# Altium PCB FPGAboard.PcbDoc (part 2 of 2)
Units mm, origin at the board's own origin, x right, y up, seen from the top; angles counter-clockwise.
Board outline 90 x 70 mm, 4 copper layers (Top Layer, Ground, 3V3P, Bottom Layer), stack 1.578 mm thick; 131 components, 163 nets, 672 pads, 230 vias.
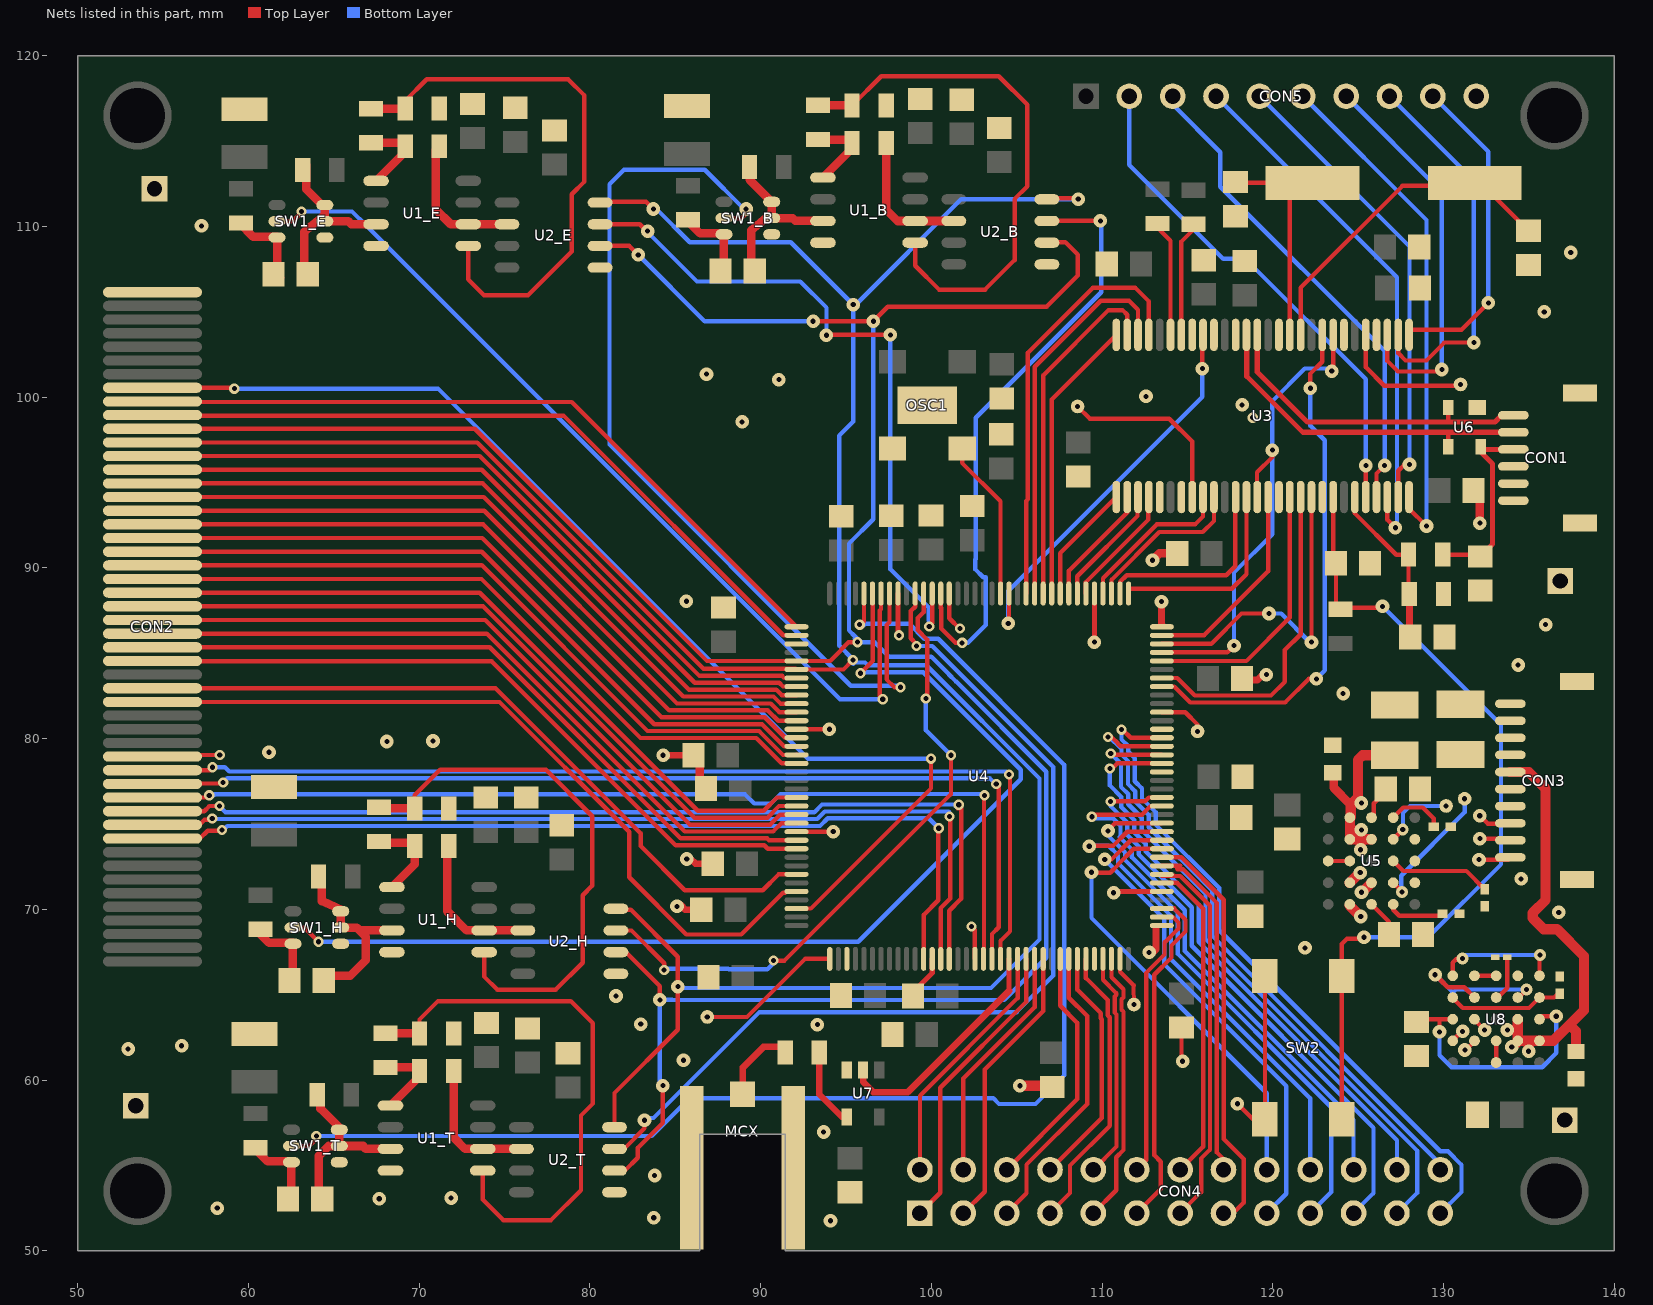
[diagram p4: the nets of this part, all layers, seen from the top]

## Via types
v1: diameter 0.8, hole 0.3, Top Layer to Bottom Layer, 160 vias
v2: diameter 0.6, hole 0.3, Top Layer to Bottom Layer, 61 vias
v3: diameter 0.7, hole 0.3, Top Layer to Bottom Layer, 5 vias
v4: diameter 1.42, hole 1.42, Top Layer to Bottom Layer, 2 vias
v5: diameter 0.9, hole 0.9, Top Layer to Bottom Layer, 2 vias

## Nets (pads, with @x,y where several pads share a name; then routed paths per layer and width w, separated by ;. In a path a pad name is that pad's centre, name@x,y a point inside that pad or via, vN(x,y) a via of type N, cw(c..) or ccw(c..) an arc to the next point about the centre after c; other vN are vias at no path point) (continued)
DAC_D9: CON2.10 U4.48 | length 55.1
  Top Layer w0.254: CON2.10@54.375,74.15 57.15,74.15 57.611,74.611 58.35,74.611 58.393,74.654 v2(58.453,74.654) ; U4.48@99.55,67.1 99.55,69.675 100.406,70.531 100.406,74.73 v2(100.43,74.754)
  Bottom Layer w0.254: v2(58.453,74.654) 58.379,74.654 58.35,74.625 58.425,74.55 58.761,74.886 93.481,74.886 93.927,75.331 99.853,75.331 v2(100.43,74.754)
DAC_D10: CON2.11 U4.50 | length 56
  Top Layer w0.254: CON2.11@54.375,74.95 57.125,74.95 57.425,75.25 v2@57.681,75.25 ; v2@57.878,75.153 v2(57.878,75.329) ; U4.50@100.55,67.1 100.55,70.075 101.111,70.636 101.111,75.386 v2(101.062,75.435)
  Bottom Layer w0.254: v2(57.878,75.329) v2@57.953,75.329 ; v2@58.025,75.401 v2@57.953,75.329 ; v2(101.062,75.435) 101.062,75.688 101.015,75.735 93.759,75.735 93.314,75.29 57.914,75.29 v2@57.953,75.329
DAC_D11: CON2.12 U4.51 | length 57.5
  Top Layer w0.254: CON2.12@54.375,75.75 57.411,75.75 57.711,76.05 v2(58.3,76.05) ; U4.51@101.05,67.1 101.05,69.925 101.743,70.618 101.743,75.93 101.53,75.93 101.654,76.054 101.599,76.109 101.605,76.115 v2(101.605,76.129)
  Bottom Layer w0.254: v2(58.3,76.05) 58.656,75.694 93.147,75.694 93.592,76.139 101.321,76.139 101.43,76.03 101.655,76.03 101.596,76.089 101.605,76.098 v2(101.605,76.129)
DAC_nLDAC: CON2.15 U4.57 | length 61.5
  Top Layer w0.254: CON2.15@54.375,78.15 57.751,78.15 57.9,78.299 v2(57.9,78.325) ; U4.57@104.05,67.1 104.05,68.155 104.606,68.711 104.606,77.844 v2(104.55,77.9)
  Bottom Layer w0.254: v2(57.9,78.325) 58.62,78.325 58.87,78.075 104.375,78.075 v2(104.55,77.9)
DAC_nPD: CON2.14 U4.56 | length 59.9
  Top Layer w0.254: CON2.14@54.375,77.35 54.401,77.376 58.353,77.376 v2@58.375,77.398 ; U4.56@103.55,67.1 103.55,68.558 103.95,68.958 103.95,77.2 v2(103.8,77.35)
  Bottom Layer w0.254: v2@58.499,77.426 v2(58.52,77.426) ; v2@58.639,77.546 58.765,77.671 103.429,77.671 103.75,77.35 v2(103.8,77.35)
DAC_nWE: CON2.13 U4.55 | length 58.9
  Top Layer w0.254: CON2.13@54.375,76.55 57.65,76.55 57.703,76.603 v2(57.703,76.679) ; U4.55@103.05,67.1 103.081,67.131 103.081,76.644 103.105,76.668 v2(103.105,76.679)
  Bottom Layer w0.254: v2(57.703,76.679) 57.966,76.679 58.022,76.735 89.085,76.735 89.622,76.198 90.603,76.198 91.16,76.756 102.969,76.756 103.046,76.679 v2(103.105,76.679)
DONE: Done.1 U4.71 | length 3
  Top Layer w0.254: U4.71@111.05,67.1 111.05,66.35 111.844,65.556 111.844,65.537 Done.1@111.865,64.424
EDFA_RX: CON2.42 U4.1 | length 43.2
  Top Layer w0.254: CON2.42@54.375,99.825 54.481,99.719 78.931,99.719 U4.1@92.1,86.55
EDFA_TX: CON2.41 U4.2 | length 43.1
  Top Layer w0.254: CON2.41@54.375,99.025 54.481,98.919 78.456,98.919 91.325,86.05 U4.2@92.1,86.05
GND: C2_B.2 C2_E.2 C2_H.2 C2_T.2 C3_B.2 C3_E.2 C3_H.2 C3_T.2 C4_B.2 C4_E.2 C4_H.2 C4_T.2 C5_B.2 C5_E.2 C5_H.2 C5_T.2 C6.2 C7.2 C8.2 C9.2 C10.2 C11.2 C12.2 C13.2 C14.2 C15.2 C16.2 C17.2 C18.2 C19.2 C20.2 C21.1 C22.1 C23.2 C24.1 C25.1 C26.2 C27.2 C28.1 C29.1 C30.2 C31.2 C32.2 C33.2 C34.2 C35.2 C36.2 C37.2 C38.2 C39.2 C40.2 C41.2 C42.2 C43.2 C44.1 C45.1 C46.2 C47.2 C48.2 C49.1 CON1.4 CON1.5 CON1.6 CON1.GND CON2.16 CON2.50 CON3.7 CON3.8 CON3.9 CON3.10 CON3.GND CON5.10 MCX.GND OSC1.2 P1.1 P2.1 P3.1 P4.1 R5_B.2 R5_E.2 R5_H.2 R5_T.2 R10.2 R12.2 R13.2 R14.2 R15.2 R16.2 SW1_B.1 SW1_E.1 SW1_H.1 SW1_T.1 SW2.1 U1_B.4 U1_E.4 U1_H.4 U1_T.4 U2_B.5 U2_E.5 U2_H.5 U2_T.5 U3.4 U3.7 U3.13 U3.17 U3.19 U3.21 U3.33 U3.35 U3.44 U3.48 U4.3 U4.13 U4.25 U4.49 U4.54 U4.68 U4.73 U4.77 U4.91 U4.96 U4.108 U4.113 U4.130 U4.136 U5.B5 U5.C1 U5.C2 U5.C5 U5.D5 U6.1 U7.3 U8.B5 U8.C1 U8.C2 U8.C5 U8.D5 | length 64
  Top Layer w0.254: CON2.16@54.375,78.95 54.494,79.069 54.523,79.04 v2(58.316,79.04) ; v1(85.104,70.178) 85.197,70.178 v1@85.297,70.278 ; v1(85.675,72.954) v1@85.896,72.954 ; C17.2@86.075,79.025 C17.2@86.425,78.675 ; C15.2@86.425,77.3 C15.2@86.95,76.775 ; U4.25@92.1,74.55 v1(94.25,74.55) ; U4.13@92.1,80.55 v1(94.025,80.55) ; C8.2@97.4,62.7 C8.2@97.492,62.835 ; v2@98.05,86.1 v2(98.1,86.05) ; C19.2@98.925,64.925 C19.2@98.925,65.148 ; U4.130@101.05,88.5 101.05,87.05 101.675,86.425 v2(101.675,86.45) ; v2(102.35,69) 102.55,68.8 U4.54@102.55,67.1 ; C6.2@107.017,59.667 C6.2@107.075,59.725 ; v1(110.675,70.975) v1@110.675,71.05 ; C7.2@114.649,63.077 114.649,61.172 v1(114.717,61.104) ; v1(117.925,58.617) 118.837,57.704 SW2.1@119.538,57.704 SW2.1@119.538,66.105 ; v1@119.425,83.75 v1(119.625,83.75) ; U5.C1@123.241,72.836 U5.C2@124.511,72.836 ; U8.B5@131.81,66.108 U8.C5@133.08,66.108 ; v1(132.08,72.915) 133.782,72.915 CON3.10@133.912,73.045 ; v1@132.116,92.634 v1(132.125,92.625) ; v1(132.123,75.484) 132.586,75.021 133.889,75.021 CON3.8@133.912,75.045 ; v1(132.125,74.141) 133.816,74.141 CON3.9@133.912,74.045 ; U8.C1@133.08,61.028 U8.C2@133.08,62.298
  Top Layer w0.3: v2@98.05,86.1 U4.136@98.05,88.5 ; C19.2@98.925,65.148 100.05,66.273 U4.49@100.05,67.1 ; v1(109.55,85.65) U4.113@109.55,88.5 ; v1@110.675,71.05 U4.77@113.5,71.05
  Top Layer w0.4: v1(84.289,79.025) C17.2@86.075,79.025 ; v1@85.297,70.278 85.6,69.975 C10.2@86.525,69.975 ; v1@85.896,72.954 86.175,72.675 C14.2@87.2,72.675 ; v1(112.756,67.478) 112.922,67.478 112.95,67.45 113.15,67.65 U4.73@113.15,68.975 ; v1(113.475,88.025) 113.475,86.702 U4.108@113.5,86.677 ; C37.2@118.2,83.425 119.1,83.425 v1@119.425,83.75
  Top Layer w0.5: C15.2@86.425,77.3 C17.2@86.425,78.675 ; v1(112.95,90.45) 113.35,90.85 C31.2@114.4,90.85 ; v1@132.116,92.634 C33.2@132.116,94.8
  Top Layer w0.6: v1(105.183,59.667) C6.2@107.017,59.667
  Bottom Layer w0.254: v1@85.1,70.283 85.104,70.278 v1(85.104,70.178) ; v1(85.675,72.954) 85.554,72.954 85.479,73.029 85.501,73.05 v1@85.708,73.05
  other v1: 94.094,51.76 83.742,51.937 58.175,52.5 67.66,53.049 71.87,53.094 83.789,54.412 93.689,56.96 85.481,61.162 52.95,61.825 56.084,62.013 93.325,63.25 82.975,63.275 81.525,64.925 121.882,67.746 136.75,69.825 134.544,71.788 61.2,79.2 68.107,79.836 70.81,79.86 124.121,82.647 134.366,84.312 135.979,86.675 85.65,88.05 88.917,98.554 118.2,99.55 112.575,100.05 91.069,101.027 86.829,101.348 135.9,105 137.45,108.475 57.249,110.031
  other v2: 118.825,98.8
GPIO1: CON4.2 U4.59 | length 14.7
  Top Layer w0.254: CON4.2@99.33,54.75 99.33,59.08 105.05,64.8 U4.59@105.05,67.1
GPIO2: CON4.1 U4.60 | length 17.5
  Top Layer w0.254: CON4.1@99.33,52.21 100.525,53.405 100.525,59.55 105.55,64.575 U4.60@105.55,67.1
GPIO3: CON4.4 U4.61 | length 14.1
  Top Layer w0.254: CON4.4@101.87,54.75 101.87,60.095 106.05,64.275 U4.61@106.05,67.1
GPIO4: CON4.3 U4.62 | length 16.8
  Top Layer w0.254: CON4.3@101.87,52.21 103.125,53.465 103.125,60.625 106.55,64.05 U4.62@106.55,67.1
GPIO5: CON4.6 U4.64 | length 14.5
  Top Layer w0.254: CON4.6@104.41,54.75 108.55,58.89 108.55,63.35 107.55,64.35 U4.64@107.55,67.1
GPIO6: CON4.5 U4.65 | length 17.3
  Top Layer w0.254: CON4.5@104.41,52.21 105.575,53.375 105.575,55.05 109.125,58.6 109.125,63.75 108.05,64.825 U4.65@108.05,67.1
GPIO7: CON4.8 U4.66 | length 14.2
  Top Layer w0.254: CON4.8@106.95,54.75 109.975,57.775 109.975,63.572 109.926,63.621 109.926,63.924 108.55,65.3 U4.66@108.55,67.1
GPIO8: CON4.7 U4.67 | length 16.9
  Top Layer w0.254: CON4.7@106.95,52.21 108.125,53.385 108.125,55 110.444,57.318 110.444,63.675 110.33,63.788 110.33,64.695 109.05,65.975 U4.67@109.05,67.1
GPIO9: CON4.10 U4.69 | length 13.3
  Top Layer w0.254: CON4.10@109.49,54.75 110.847,56.108 110.847,63.842 110.734,63.956 110.734,64.893 110.847,65.006 110.847,65.078 110.05,65.875 U4.69@110.05,67.1
GPIO10: CON4.9 U4.70 | length 16
  Top Layer w0.254: CON4.9@109.49,52.21 110.825,53.545 110.825,55.475 111.251,55.901 111.251,64.01 111.138,64.123 111.138,64.725 111.251,64.839 111.251,65.323 110.55,66.025 U4.70@110.55,67.1
GPIO11: CON4.12 U4.74 | length 16.3
  Top Layer w0.254: CON4.12@112.03,54.75 112.592,55.312 112.592,64.725 112.578,64.739 112.578,66.273 113.659,67.354 113.659,68.068 ; 113.666,68.062 114.477,68.873 114.477,69.227 114.157,69.547 U4.74@113.824,69.547
GPIO12: CON4.11 U4.75 | length 20.3
  Top Layer w0.254: CON4.11@112.03,52.21 113.439,53.619 113.439,55.218 113.052,55.606 113.052,66.175 114.063,67.186 114.063,67.888 114.881,68.706 114.881,69.394 114.218,70.057 ; U4.75@113.5,70.05 114.211,70.05
GPIO13: CON4.14 U4.78 | length 18.9
  Top Layer w0.254: U4.78@113.5,71.55 114.406,71.55 115.917,70.039 115.917,56.097 CON4.14@114.57,54.75
GPIO14: CON4.13 U4.79 | length 22.3
  Top Layer w0.254: U4.79@113.5,72.05 113.5,71.977 114.227,71.977 114.25,71.954 114.573,71.954 116.321,70.206 116.321,55.93 115.8,55.409 115.8,53.44 CON4.13@114.57,52.21
GPIO15: CON4.16 U4.80 | length 20.3
  Top Layer w0.254: U4.80@113.5,72.55 114.574,72.55 114.399,72.376 114.417,72.358 114.74,72.358 116.725,70.373 116.725,55.762 117.11,55.377 CON4.16@117.11,54.75
GPIO16: CON4.15 U4.81 | length 24.3
  Top Layer w0.254: U4.81@113.5,73.05 114.645,73.05 117.129,70.566 117.129,56.545 118.3,55.374 118.3,52.825 117.685,52.21 CON4.15@117.11,52.21
GPIO17: CON4.18 U4.82 | length 26.5
  Top Layer w0.254: v1(109.375,72.175) 109.402,72.148 110.479,72.148 110.936,72.605 110.936,72.632 111.855,73.55 U4.82@113.5,73.55 U4.82@113.459,73.509
  Bottom Layer w0.254: v1(109.375,72.175) 109.375,69.5 119.65,59.225 CON4.18@119.65,54.75
GPIO18: CON4.17 U4.83 | length 29.4
  Top Layer w0.254: v1@110.13,72.95 110.151,72.929 v1(110.155,72.929) 110.554,72.929 111.675,74.05 U4.83@113.5,74.05
  Bottom Layer w0.254: v1(110.155,72.929) 113.633,69.451 113.633,66.795 120.781,59.646 120.781,53.341 CON4.17@119.65,52.21
GPIO19: CON4.20 U4.84 | length 29.6
  Top Layer w0.254: v1(109.25,73.7) 109.269,73.719 110.644,73.719 111.475,74.55 U4.84@113.5,74.55
  Bottom Layer w0.254: v1(109.25,73.7) v1@109.26,73.71 ; v1@109.26,73.725 110.387,73.725 110.935,73.177 110.935,72.72 114.037,69.619 114.037,67.083 122.19,58.929 CON4.20@122.19,54.75
GPIO20: CON4.19 U4.85 | length 31.7
  Top Layer w0.254: v1(110.35,74.6) 110.35,74.65 110.75,75.05 U4.85@113.5,75.05
  Bottom Layer w0.254: v1(110.35,74.6) 110.35,74.333 111.339,73.344 111.339,72.887 114.441,69.786 114.441,67.39 123.425,58.406 123.425,53.445 CON4.19@122.19,52.21
GPIO21: CON4.22 U4.87 | length 32.3
  Top Layer w0.254: v2@109.325,75.425 v2(109.4,75.425) ; v2@109.4,75.544 112.337,75.544 112.843,76.05 U4.87@113.5,76.05
  Bottom Layer w0.254: v2(109.4,75.425) 109.302,75.327 110.651,75.327 111.077,74.901 111.077,74.299 111.016,74.238 111.743,73.511 111.743,73.055 114.844,69.953 114.844,67.558 124.73,57.672 CON4.22@124.73,54.75
GPIO22: CON4.21 U4.88 | length 34.1
  Top Layer w0.254: v2(110.5,76.325) 112.504,76.325 112.729,76.55 U4.88@113.5,76.55
  Bottom Layer w0.254: v2(110.5,76.325) 110.5,76.049 111.481,75.068 111.481,74.345 112.147,73.679 112.147,73.222 115.248,70.121 115.248,67.864 125.9,57.213 125.9,53.38 CON4.21@124.73,52.21
GPIO23: CON4.24 U4.92 | length 33.8
  Top Layer w0.254: v2(110.455,78.254) 110.593,78.254 110.89,78.55 U4.92@113.5,78.55
  Bottom Layer w0.254: v2@110.33,78.379 v2(110.455,78.254) 110.455,77.256 111.127,76.585 111.127,75.994 111.885,75.236 111.885,74.512 112.551,73.846 112.551,73.389 115.652,70.288 115.652,68.097 127.27,56.48 CON4.24@127.27,54.75
GPIO24: CON4.23 U4.93 | length 37.9
  Top Layer w0.254: v2(110.505,79.129) 110.584,79.05 U4.93@113.5,79.05
  Bottom Layer w0.254: v2(110.505,79.129) 111.109,78.525 111.109,77.174 111.531,76.752 111.531,76.161 112.326,75.366 112.326,74.643 116.056,70.912 116.056,68.265 128.45,55.871 128.45,53.39 CON4.23@127.27,52.21
GPIO25: CON4.26 U4.94 | length 36.8
  Top Layer w0.254: v2(110.35,80.1) 110.548,80.1 110.911,79.736 110.907,79.732 111.089,79.55 U4.94@113.5,79.55
  Bottom Layer w0.254: v2(110.35,80.1) 110.421,80.1 111.132,79.389 111.132,79.073 111.513,78.693 111.513,77.341 111.935,76.919 111.935,76.328 112.73,75.533 112.73,74.81 116.46,71.08 116.46,68.432 129.81,55.082 CON4.26@129.81,54.75
GPIO26: CON4.25 U4.95 | length 39.9
  Top Layer w0.254: v2(111.137,80.525) 111.2,80.525 111.675,80.05 U4.95@113.5,80.05
  Bottom Layer w0.254: v2(111.137,80.525) 111.137,79.955 111.536,79.556 111.536,79.241 111.917,78.86 111.917,77.509 112.339,77.087 112.339,76.496 113.134,75.701 113.134,74.977 116.864,71.247 116.864,68.772 129.809,55.827 130.256,55.827 131.05,55.033 131.05,53.45 CON4.25@129.81,52.21
HEATER_1: CON2.20 U4.32 | length 46
  Top Layer w0.254: CON2.20@54.375,82.15 74.7,82.15 82.3,74.55 82.3,71.878 85.647,68.531 88.869,68.531 91.315,70.977 91.431,70.977 91.504,71.05 U4.32@92.1,71.05
HEATER_2: CON2.21 U4.30 | length 43.4
  Top Layer w0.254: CON2.21@54.375,82.95 74.475,82.95 82.975,74.45 82.975,73.707 85.557,71.125 90.121,71.125 91.046,72.05 U4.30@92.1,72.05
NetC1_B_1: C1_B.1 R2_B.2 SW1_B.6 | length 5
  Top Layer w0.254: C1_B.1@87.85,107.49 C1_B.1@88.15,107.19
  Top Layer w0.5: R2_B.2@85.65,110.39 86.45,109.59 SW1_B.6@87.85,109.59 ; C1_B.1@87.85,107.49 SW1_B.6@87.85,109.54
NetC1_B_2: C1_B.2 R1_B.1 SW1_B.2 SW1_B.3 U1_B.3 | length 10.9
  Top Layer w0.254: 89.35,112.74 R1_B.1@89.35,113.49 ; C1_B.2@89.45,107.89 C1_B.2@90.15,107.19 ; SW1_B.2@90.65,110.49 SW1_B.2@91.075,110.49
  Top Layer w0.5: 89.35,112.74 SW1_B.3@90.65,111.44 SW1_B.2@90.65,110.49 90.359,110.518 89.45,109.771 C1_B.2@89.45,107.89 ; SW1_B.2@91.075,110.49 91.875,110.49 92.04,110.325 U1_B.3@93.65,110.325
NetC1_E_1: C1_E.1 R2_E.2 SW1_E.6 | length 5
  Top Layer w0.254: C1_E.1@61.675,107.3 C1_E.1@61.975,107
  Top Layer w0.5: R2_E.2@59.475,110.2 60.275,109.4 SW1_E.6@61.675,109.4 ; C1_E.1@61.675,107.3 SW1_E.6@61.675,109.35
NetC1_E_2: C1_E.2 R1_E.1 SW1_E.2 SW1_E.3 U1_E.3 | length 11
  Top Layer w0.254: C1_E.2@63.275,107.7 C1_E.2@63.975,107 ; SW1_E.3@64.475,111.25 SW1_E.3@64.475,111.304
  Top Layer w0.5: C1_E.2@63.275,107.7 63.275,109.688 64.291,110.524 64.475,110.675 SW1_E.3@64.475,111.25 ; R1_E.1@63.375,113.6 63.375,112.188 SW1_E.3@64.367,111.196 ; SW1_E.2@64.475,110.3 65.85,110.3 66.015,110.135 U1_E.3@67.475,110.135
NetC1_H_1: C1_H.1 R2_H.2 SW1_H.6 | length 5
  Top Layer w0.254: C1_H.1@62.605,65.935 C1_H.1@62.905,65.635
  Top Layer w0.5: R2_H.2@60.405,68.835 61.205,68.035 SW1_H.6@62.605,68.035 ; C1_H.1@62.605,65.935 SW1_H.6@62.605,67.985
NetC1_H_2: C1_H.2 R1_H.1 SW1_H.2 SW1_H.3 U1_H.3 | length 12.1
  Top Layer w0.254: C1_H.2@64.405,65.835 C1_H.2@64.835,65.835 ; SW1_H.2@65.405,68.935 SW1_H.2@65.83,68.935 ; SW1_H.3@65.405,69.885 65.405,69.939 SW1_H.3@65.448,69.982
  Top Layer w0.5: R1_H.1@64.305,72.235 64.305,70.485 SW1_H.3@65.448,69.982 ; C1_H.2@64.67,66.1 65.951,66.1 66.878,67.028 66.878,68.392 66.5,68.77 ; SW1_H.2@65.405,68.935 SW1_H.3@65.405,69.885 ; SW1_H.2@65.83,68.935 66.344,68.935 66.344,68.927 66.5,68.77 ; U1_H.3@68.405,68.77 67.068,68.77 66.5,68.77
NetC1_T_1: C1_T.1 R2_T.2 SW1_T.6 | length 5
  Top Layer w0.254: C1_T.1@62.52,53.14 C1_T.1@62.82,52.84
  Top Layer w0.5: R2_T.2@60.32,56.04 61.12,55.24 SW1_T.6@62.52,55.24 ; C1_T.1@62.52,53.14 SW1_T.6@62.52,55.19
NetC1_T_2: C1_T.2 R1_T.1 SW1_T.2 SW1_T.3 U1_T.3 | length 11.3
  Top Layer w0.254: C1_T.2@64.12,53.54 C1_T.2@64.82,52.84 ; SW1_T.3@65.32,57.09 65.32,57.144 SW1_T.3@65.363,57.187
  Top Layer w0.5: C1_T.2@64.12,53.54 64.12,55.555 64.705,56.14 SW1_T.2@65.32,56.14 ; R1_T.1@64.22,59.44 64.22,58.329 SW1_T.3@65.363,57.187 ; SW1_T.3@65.32,57.09 SW1_T.2@65.32,56.14 ; U1_T.3@68.32,55.975 66.875,55.975 66.71,56.14 SW1_T.2@65.32,56.14
NetC20_1: C20.1 R6.2 SW2.2 U3.49 | length 48.6
  Top Layer w0.254: U3.49@123.535,94.15 123.535,90.44 C20.1@123.7,90.275 123.7,87.725 R6.2@123.675,87.7 ; R6.2@123.975,87.575 124.069,87.669 126.419,87.669 126.427,87.677 v1(126.427,87.748) ; SW2.2@124.038,57.704 SW2.2@124.038,66.105 124.038,67.967 124.349,68.278 125.246,68.278 v1(125.337,68.368)
  Bottom Layer w0.254: v1(125.337,68.368) 129.097,68.368 133.362,72.633 133.362,80.813 v1(126.427,87.748)
NetC21_2: C21.2 U3.11 Y1.2 | length 17.3
  Top Layer w0.254: U3.11@121.63,103.65 121.63,106.417 127.588,112.375 Y1.2@129.35,112.375 ; Y1.2@131.825,112.55 132.175,112.55 C21.2@134.975,109.75
NetC22_2: C22.2 U3.12 Y1.1 | length 13.3
  Top Layer w0.254: C22.2@117.821,112.597 117.868,112.55 Y1.1@122.325,112.55 ; U3.12@120.995,103.65 121,103.655 Y1.1@121,112.4
NetC23_1: C23.1 R9.2 R10.1 U3.51 | length 9.9
  Top Layer w0.254: U3.51@124.805,94.15 124.805,93.195 127.225,90.775 127.75,90.775 127.95,90.575 127.95,88.525 R10.1@128,88.475
  Top Layer w0.4: R10.1@128,88.475 128,86 C23.1@128.05,85.95
NetC26_1: C26.1 CON1.3 R9.1 U6.4 | length 11.1
  Top Layer w0.254: R9.1@129.95,90.775 132.05,90.775 C26.1@132.15,90.675
  Top Layer w0.3: C26.1@132.15,90.675 132.875,91.4 132.875,96.093 U6.4@132.229,96.739 ; U6.4@132.176,97.108 132.346,96.938 CON1.3@134.361,96.938
NetCLKOUT_1: CLKOUT.1 U3.5 | length 8.1
  Top Layer w0.254: U3.5@125.44,103.65 125.44,101.76 126.525,100.675 CLKOUT.1@131.172,100.675
NetCON1_1: CON1.1 U3.15 U6.2 | length 19.6
  Top Layer w0.254: 130.276,98.551 U6.2@130.276,99.393
  Top Layer w0.3: U3.15@119.09,103.65 119.09,101.481 122.021,98.551 130.276,98.551 133.011,98.551 133.379,98.919 CON1.1@134.361,98.919
NetCON1_2: CON1.2 U3.16 U6.3 | length 20
  Top Layer w0.254: U6.3@130.276,97.093 130.276,97.903 130.315,97.942
  Top Layer w0.3: U3.16@118.475,103.373 118.475,101.224 121.757,97.942 130.315,97.942 CON1.2@134.092,97.942
NetCON5_2: CON5.2 U3.52 | length 30
  Top Layer w0.254: U3.52@125.44,94.15 125.44,95.99 v1(125.45,96)
  Bottom Layer w0.254: CON5.2@111.595,117.625 111.595,113.605 117.1,108.1 118.4,108.1 125.45,101.05 v1(125.45,96)
NetCON5_3: CON5.3 U3.53 | length 28.8
  Top Layer w0.254: U3.53@126.075,94.15 126.075,95.525 v1(126.55,96)
  Bottom Layer w0.254: CON5.3@114.135,117.625 114.135,117.14 116.925,114.35 116.925,112.325 126.55,102.7 v1(126.55,96)
NetCON5_4: CON5.4 U3.54 | length 31.7
  Top Layer w0.254: U3.54@126.71,94.15 126.71,92.815 v1(127.175,92.35)
  Bottom Layer w0.254: CON5.4@116.675,117.625 127.277,107.023 127.277,92.452 v1(127.175,92.35)
NetCON5_5: CON5.5 U3.55 | length 27.6
  Top Layer w0.254: U3.55@127.345,94.15 127.345,95.695 127.705,96.055 v1(128.006,96.055)
  Bottom Layer w0.254: CON5.5@119.215,117.625 128.006,108.834 v1(128.006,96.055)
NetCON5_6: CON5.6 U3.56 | length 30.3
  Top Layer w0.254: U3.56@127.98,94.15 127.98,93.47 v1(129,92.45)
  Bottom Layer w0.254: CON5.6@121.755,117.625 129,110.38 v1(129,92.45)
NetCON5_7: CON5.7 U3.3 | length 23.5
  Top Layer w0.254: U3.3@126.71,103.65 126.71,102.115 127.325,101.5 129.975,101.5 129.9,101.575 v1(129.9,101.625)
  Bottom Layer w0.254: CON5.7@124.295,117.625 129.9,112.02 v1(129.9,101.625)
NetCON5_8: CON5.8 U3.2 | length 22.6
  Top Layer w0.254: U3.2@127.345,103.65 127.345,102.58 127.775,102.15 129,102.15 130.05,103.2 v1(131.775,103.2)
  Bottom Layer w0.254: CON5.8@126.835,117.625 131.775,112.685 v1(131.775,103.2)
NetCON5_9: CON5.9 U3.1 | length 19
  Top Layer w0.254: U3.1@127.98,103.65 127.98,103.95 131.05,103.95 v1(132.625,105.525)
  Bottom Layer w0.254: CON5.9@129.375,117.625 132.625,114.375 v1(132.625,105.525)
NetFLAGA_1: FLAGA.1 U3.36 | length 10.8
  Top Layer w0.254: FLAGA.1@108.567,99.459 109.286,98.74 113.94,98.74 115.28,97.4 U3.36@115.28,94.15
NetMCX_IN: MCX.IN R11.2 | length 4.6
  Top Layer w0.254: MCX.IN@88.966,59.584 MCX.IN@89.5,59.05
  Top Layer w0.38: MCX.IN@88.966,59.584 88.966,60.744
  Top Layer w0.381: 88.966,60.744 90.163,61.941 R11.2@91.109,61.941
NetOSC1_3: OSC1.3 U4.124 | length 9.4
  Top Layer w0.254: OSC1.3@101.8,96.995 101.8,96.15 104.05,93.9 U4.124@104.05,88.5
NetR3_B_1: R3_B.1 U1_B.6 U2_B.2 | length 8.3
  Top Layer w0.5: R3_B.1@97.35,114.89 97.35,110.99 98.02,110.32 U2_B.2@101.52,110.32
NetR3_B_2: R3_B.2 R4_B.1 U1_B.1 | length 4.8
  Top Layer w0.254: R3_B.2@95.15,115.09 R3_B.2@95.35,114.89 R3_B.2@95.35,114.56
  Top Layer w0.5: R4_B.1@93.35,115.09 R3_B.2@95.15,115.09 ; U1_B.1@93.65,112.86 R3_B.2@95.35,114.56
NetR3_E_1: R3_E.1 U1_E.6 U2_E.2 | length 8.5
  Top Layer w0.5: R3_E.1@71.175,114.7 70.975,114.5 70.975,111 71.845,110.13 U2_E.2@75.345,110.13
NetR3_E_2: R3_E.2 R4_E.1 U1_E.1 | length 4.8
  Top Layer w0.254: R3_E.2@68.975,114.9 R3_E.2@69.175,114.7 R3_E.2@69.175,114.37
  Top Layer w0.5: R4_E.1@67.175,114.9 R3_E.2@68.975,114.9 ; U1_E.1@67.475,112.67 R3_E.2@69.175,114.37
NetR3_H_1: R3_H.1 U1_H.6 U2_H.2 | length 8.6
  Top Layer w0.5: R3_H.1@71.646,73.35 71.646,69.894 72.775,68.765 U2_H.2@76.275,68.765
NetR3_H_2: R3_H.2 R4_H.1 U1_H.1 | length 5
  Top Layer w0.254: R3_H.2@69.53,73.91 R3_H.2@69.73,73.71 R3_H.2@69.73,73.38
  Top Layer w0.5: R4_H.1@67.73,73.91 R3_H.2@69.53,73.91 ; U1_H.1@68.405,71.305 69.73,72.63 R3_H.2@69.73,73.38
NetR3_T_1: R3_T.1 U1_T.6 U2_T.2 | length 8.3
  Top Layer w0.5: R3_T.1@72.02,60.54 72.02,56.64 72.69,55.97 U2_T.2@76.19,55.97
NetR3_T_2: R3_T.2 R4_T.1 U1_T.1 | length 4.8
  Top Layer w0.254: R3_T.2@69.82,60.74 R3_T.2@70.02,60.54 R3_T.2@70.02,60.21
  Top Layer w0.5: R4_T.1@68.02,60.74 R3_T.2@69.82,60.74 ; U1_T.1@68.32,58.51 R3_T.2@70.02,60.21
NetR4_B_2: R4_B.2 R5_B.1 U1_B.5 | length 31.6
  Top Layer w0.254: R5_B.1@95.35,117.09 97.06,118.8 103.95,118.8 105.625,117.125 105.625,112.35 104.875,111.6 104.875,108.028 103.147,106.3 100.45,106.3 99.05,107.7 U1_B.5@99.05,109.05
  Top Layer w0.5: R4_B.2@93.35,117.09 R5_B.1@95.35,117.09
NetR4_E_2: R4_E.2 R5_E.1 U1_E.5 | length 32.8
  Top Layer w0.254: R5_E.1@69.175,116.9 69.175,117.354 70.446,118.625 78.725,118.625 79.675,117.675 79.675,112.625 78.934,111.884 78.934,108.534 76.375,105.975 73.8,105.975 72.875,106.9 U1_E.5@72.875,108.86
  Top Layer w0.5: R4_E.2@67.175,116.9 R5_E.1@69.175,116.9
NetR4_H_2: R4_H.2 R5_H.1 U1_H.5 | length 31.9
  Top Layer w0.254: R5_H.1@69.73,75.91 69.73,76.68 71.225,78.175 77.425,78.175 80.142,75.458 80.142,71.392 79.575,70.825 79.575,66.875 78,65.3 74.575,65.3 73.805,66.07 U1_H.5@73.805,67.495
  Top Layer w0.5: R4_H.2@67.73,75.91 R5_H.1@69.73,75.91
NetR4_T_2: R4_T.2 R5_T.1 U1_T.5 | length 32.7
  Top Layer w0.254: R5_T.1@70.02,62.74 70.02,63.545 71.1,64.625 78.875,64.625 80.175,63.325 80.175,58.625 79.475,57.925 79.475,53.55 77.725,51.8 74.925,51.8 73.72,53.005 U1_T.5@73.72,54.7
  Top Layer w0.5: R4_T.2@68.02,62.74 R5_T.1@70.02,62.74
NetR7_2: R7.2 U3.22 | length 6.5
  Top Layer w0.254: U3.22@114.645,103.65 114.645,109.12 R7.2@115.375,109.85
NetR8_2: R8.2 U3.23 | length 6.4
  Top Layer w0.254: R8.2@113.4,109.775 114.01,109.165 U3.23@114.01,103.65
NetR11_1: R11.1 U7.4 | length 4.6
  Top Layer w0.254: U7.4@94.753,57.85 U7.4@95.05,57.85
  Top Layer w0.381: R11.1@93.436,61.614 93.436,59.166 U7.4@94.753,57.85
NetR12_1: R12.1 U5.E4 | length 3.4
  Top Layer w0.254: U5.E4@127.051,70.296 127.051,69.983 127.411,69.622 129.811,69.622 R12.1@129.939,69.751
NetR13_1: R13.1 U8.A4 U8.E4 | length 6.9
  Top Layer w0.254: U8.A4@130.54,64.838 130.54,64.802 131.119,64.222 135.004,64.222 U8.E4@135.62,64.838 136.481,64.838 136.706,65.062 R13.1@136.801,65.062
NetR14_1: R14.1 U5.A4 | length 3.5
  Top Layer w0.254: U5.A4@127.051,75.376 127.643,75.968 128.778,75.968 129.426,75.32 R14.1@129.426,74.846 R14.1@129.323,74.744
NetR15_1: R15.1 U8.C4 | length 2.7
  Top Layer w0.254: U8.C4@133.08,64.838 133.175,64.838 133.737,65.399 R15.1@133.737,67.199
NetR16_1: R16.1 U5.C4 | length 6
  Top Layer w0.254: U5.C4@127.051,72.836 127.643,72.244 128.566,72.244 128.571,72.249 131.337,72.249 R16.1@132.407,71.178
NetTP1_1: TP1.1 U4.98 | length 2.8
  Top Layer w0.254: U4.98@113.5,81.55 114.873,81.55 115.592,80.831 TP1.1@115.592,80.429
NetU3_8: U3.8 U3.42 U4.105 | length 29.5
  Top Layer w0.254: U4.105@113.5,85.05 117.325,85.05 v1(117.725,85.45) ; U3.42@119.075,94.7 119.075,95.6 119.975,96.5 v1(119.975,96.9) ; v1(123.45,101.525) 123.45,101.35 123.535,101.265 U3.8@123.535,103.65
  Bottom Layer w0.254: v1(117.725,85.45) 117.725,89.725 119.975,91.975 v1(119.975,96.9) 119.975,99.775 121.875,101.675 123.112,101.675 123.45,101.337 v1(123.45,101.525)
NetU3_9: U3.9 U4.101 | length 31.3
  Top Layer w0.254: U4.101@113.5,83.05 114.227,83.05 115.158,82.119 117.132,82.119 117.134,82.121 117.266,82.121 117.268,82.119 120.719,82.119 122.1,83.5 v1(122.55,83.5) ; v1(122.2,100.525) 122.2,101.38 122.9,102.08 U3.9@122.9,103.65
  Bottom Layer w0.254: v1(122.2,100.525) 122.2,98.325 123.046,97.479 123.046,83.996 v1(122.55,83.5) v1@122.55,83.761
NetU3_20: U3.20 U4.123 | length 23.5
  Top Layer w0.254: v1(104.5,86.75) 104.55,86.7 U4.123@104.55,88.5 ; v1(115.875,101.675) 115.875,103.61 U3.20@115.915,103.65
  Bottom Layer w0.254: v1(104.5,86.75) 104.5,88.65 115.875,100.025 v1(115.875,101.675)
NetU3_25: U3.25 U4.121 | length 25.1
  Top Layer w0.254: U4.121@105.55,88.5 105.55,93.922 105.652,94.024 105.652,94.626 105.646,94.632 105.646,101.946 105.652,101.952 105.652,102.602 109.45,106.4 111.95,106.4 112.74,105.61 U3.25@112.74,103.65
NetU3_26: U3.26 U4.120 | length 22.6
  Top Layer w0.254: U4.120@106.05,88.5 106.056,88.506 106.056,94.793 106.05,94.799 106.05,101.779 109.921,105.65 111.575,105.65 112.105,105.12 U3.26@112.105,103.65
NetU3_27: U3.27 U4.119 | length 20.6
  Top Layer w0.254: U4.119@106.55,88.5 106.55,101.275 110.375,105.1 111.2,105.1 111.47,104.83 U3.27@111.47,103.65
NetU3_28: U3.28 U4.118 | length 16.7
  Top Layer w0.254: U4.118@107.05,88.5 107.05,99.865 U3.28@110.835,103.65
NetU3_29: U3.29 U4.117 | length 7
  Top Layer w0.254: U4.117@107.55,88.5 107.55,90.865 U3.29@110.835,94.15
NetU3_30: U3.30 U4.116 | length 7.1
  Top Layer w0.254: U4.116@108.05,88.5 108.05,89.825 111.47,93.245 U3.30@111.47,94.15
NetU3_31: U3.31 U4.115 | length 7.1
  Top Layer w0.254: U4.115@108.542,88.5 108.542,89.51 112.076,93.044 112.076,94.121 U3.31@112.105,94.15
NetU3_32: U3.32 U4.114 | length 7.2
  Top Layer w0.254: U4.114@109.05,88.5 109.05,89.175 112.711,92.836 112.711,94.121 U3.32@112.74,94.15
NetU3_37: U3.37 U4.112 | length 9.4
  Top Layer w0.254: U4.112@110.05,88.5 110.05,89.4 113.2,92.55 115.45,92.55 115.915,93.015 U3.37@115.915,94.15
NetU3_38: U3.38 U4.111 | length 9.6
  Top Layer w0.254: U4.111@110.55,88.5 110.55,89.3 113.35,92.1 115.9,92.1 116.55,92.75 U3.38@116.55,94.15
NetU3_40: U3.40 U4.110 | length 11.9
  Top Layer w0.254: U4.110@111.05,88.5 111.05,89.184 111.441,89.575 117.275,89.575 117.802,90.102 117.802,94.132 U3.40@117.82,94.15
NetU3_41: U3.41 U4.109 | length 12
  Top Layer w0.254: U4.109@111.55,88.5 111.55,88.75 111.575,88.775 117.6,88.775 118.455,89.63 U3.41@118.455,94.15
NetU3_43: U3.43 U4.107 | length 12.1
  Top Layer w0.254: U4.107@113.5,86.05 115.975,86.05 119.725,89.8 U3.43@119.725,94.15
NetU3_45: U3.45 U4.104 | length 15.6
  Top Layer w0.254: U4.104@113.5,84.55 118.45,84.55 120.995,87.095 U3.45@120.995,94.15
NetU3_46: U3.46 U4.102 | length 19.2
  Top Layer w0.254: U4.102@113.5,83.55 114.4,83.55 115.427,82.523 116.965,82.523 116.967,82.525 117.433,82.525 117.435,82.523 119.898,82.523 120.7,83.325 120.7,85.189 121.63,86.12 U3.46@121.63,94.15
NetU3_47: U3.47 U4.106 | length 18.7
  Top Layer w0.254: U4.106@113.5,85.55 116.388,85.55 118.163,87.325 v1(119.775,87.325) ; v1(122.265,85.65) U3.47@122.265,94.15
  Bottom Layer w0.254: v1(119.775,87.325) 120.49,87.325 122.165,85.65 v1(122.265,85.65)
NetU4_58: U4.58 U7.2 | length 13.8
  Top Layer w0.3: 104.55,65.225 U4.58@104.55,67.1
  Top Layer w0.381: U7.2@96,60.6 96,59.9 96.6,59.3 98.625,59.3 104.55,65.225
NetU8_A5: U8.A5 U8.E5 | length 7.3
  Top Layer w0.254: U8.A5@130.54,66.108 130.54,66.881 130.77,67.111 v3(131.099,67.111) ; U8.E5@135.62,66.108 135.62,67.309 v3(135.638,67.328)
  Bottom Layer w0.254: v3(131.099,67.111) 131.316,67.328 v3(135.638,67.328)
NetU8_B4: U8.B4 U8.D4 | length 9.4
  Top Layer w0.254: v1(129.509,66.169) 130.243,65.436 131.212,65.436 U8.B4@131.81,64.838 ; U8.D4@134.35,64.838 134.42,64.838 134.865,65.283 v3(134.865,65.307)
  Bottom Layer w0.254: v1(129.509,66.169) 130.517,65.161 130.548,65.192 130.578,65.162 130.723,65.307 v3(134.865,65.307)
ON/OFF_EDFA: SW1_E.5 U4.138 | length 53.9
  Top Layer w0.254: SW1_E.5@61.675,110.3 62.6,110.3 63.128,110.828 63.103,110.853 v2(63.103,110.88) ; U4.138@97.05,88.5 97.05,87.58 96.975,87.505 96.975,82.484 v2(97.155,82.304)
  Bottom Layer w0.254: v2(63.103,110.88) 66.07,110.88 66.844,110.106 94.646,82.304 v2(97.155,82.304)
ON/OFF_HEATER: SW1_H.5 U4.139 | length 64.2
  Top Layer w0.254: SW1_H.5@62.605,68.935 63.265,68.935 v2(64.1,68.1) ; v2(95.855,83.829) 96.571,84.545 96.571,88.5 U4.139@96.55,88.5
  Bottom Layer w0.254: v2(64.1,68.1) 82.92,68.1 82.922,68.098 84.581,68.098 84.583,68.1 95.713,68.1 105.231,77.618 105.231,78.182 99.528,83.885 v2@95.855,83.885
ON/OFF_LD_BIAS: SW1_B.5 U4.137 | length 55.3
  Top Layer w0.254: SW1_B.5@87.85,110.49 88.89,110.49 89.15,110.75 v1(89.15,111.025) ; U4.137@97.55,88.5 97.55,86.825 97.379,86.654 97.379,83.471 97.838,83.012 v2(98.195,83.012)
  Bottom Layer w0.254: v1(89.15,111.025) 89.025,111.025 86.725,113.325 81.999,113.325 81.15,112.476 81.15,97.225 95.281,83.094 98.113,83.094 v2(98.195,83.012)
ON/OFF_LD_TEC: SW1_T.5 U4.140 | length 82.9
  Top Layer w0.254: SW1_T.5@62.52,56.14 63.565,56.14 63.978,56.553 v2(63.978,56.728) ; v2(95.8,86.675) 95.875,86.675 96.05,86.85 U4.140@96.05,88.5
  Bottom Layer w0.254: v2(63.978,56.728) 83.628,56.728 85.843,58.943 103.622,58.943 103.966,58.6 106.1,58.6 107.775,60.275 107.775,78.475 100.4,85.85 99.587,85.85 98.712,86.725 96.125,86.725 v2@95.971,86.571 ; v2(95.8,86.675) v2@95.867,86.675
PG1: pad.3@131.236,76.479 U5.D4 | length 7.8
  Top Layer w0.254: U5.D4@127.051,71.538 U5.D4@127.051,71.566 127.574,71.042 v3(127.574,71.011)
  Bottom Layer w0.254: v3(127.574,71.011) 127.516,71.069 127.516,71.975 131.236,75.694 pad.3@131.236,76.479
PG2: pad.3@130.15,76.056 U5.B4 | length 4.5
  Top Layer w0.254: U5.B4@127.051,74.158 U5.B4@127.051,74.106 127.611,74.666 v3(127.611,74.67)
  Bottom Layer w0.254: v3(127.611,74.67) 127.623,74.682 127.623,75.64 128.039,76.056 pad.3@130.15,76.056
PROG: Prog.1 U4.37 | length 8.6
  Top Layer w0.254: Prog.1@86.875,63.7 89.205,63.7 92.604,67.1 U4.37@94.05,67.1
SPARE1: U4.39
SPARE2: CON2.43 U4.34 | length 67.5
  Top Layer w0.254: CON2.43@54.375,100.55 59.125,100.55 v2(59.175,100.5) ; U4.34@92.1,70.05 92.943,70.05 99.98,77.087 v2@99.98,78.825 ; v2@99.801,78.829 v2(99.98,78.829)
  Bottom Layer w0.254: v2(59.175,100.5) 71.1,100.5 92.775,78.825 v2@99.98,78.825 ; v2@99.813,78.829 v2(99.98,78.829)
SPI1_MOSI: CON2.26 U4.23 | length 42.9
  Top Layer w0.254: CON2.26@54.375,86.95 73.866,86.95 85.851,74.965 90.565,74.965 90.64,75.04 91.15,75.55 U4.23@92.1,75.55
SPI1_nCS1: CON2.23 U4.27 | length 42.3
  Top Layer w0.254: CON2.23@54.375,84.525 74.248,84.525 85.02,73.753 90.214,73.753 90.417,73.55 U4.27@92.1,73.55
SPI1_nCS2: CON2.24 U4.26 | length 42.4
  Top Layer w0.254: CON2.24@54.375,85.35 74.129,85.35 85.322,74.157 90.381,74.157 90.488,74.05 U4.26@92.1,74.05
SPI1_SCLK: CON2.25 U4.24 | length 42.7
  Top Layer w0.254: CON2.25@54.375,86.15 73.964,86.15 85.553,74.561 90.732,74.561 91.221,75.05 U4.24@92.1,75.05
SPI2_MISO: CON2.40 U2_B.6 U2_E.6 U2_H.6 U2_T.6 U4.5 | length 166.5
  Top Layer w0.254: CON2.40@54.375,98.15 73.258,98.15 86.86,84.548 92.098,84.548 U4.5@92.1,84.55 94.075,84.55 94.675,85.15 94.675,85.176 95.149,85.65 v2(95.675,85.65) ; U2_E.6@80.595,108.86 82.309,108.86 v1(82.83,108.339) ; U2_H.6@81.27,67.445 82.155,67.445 84.1,65.5 v1(84.1,64.7) ; U2_T.6@81.44,54.7 82.05,54.7 82.8,55.45 82.8,56.029 84.275,57.504 v1(84.275,59.675) ; v1(93.075,104.45) v1(96.6,104.45) 97.45,105.3 106.75,105.3 108.575,107.125 108.575,108.35 107.85,109.075 U2_B.6@106.5,109.075
  Bottom Layer w0.254: v1(82.83,108.339) 86.719,104.45 v1(93.075,104.45) ; v1@84.225,59.675 84.1,59.8 v1(84.1,64.7) 84.82,64.7 84.827,64.694 104.269,64.694 106.735,67.16 106.735,78.065 101.431,83.369 101.418,83.369 101.019,83.768 101.019,83.781 100,84.8 99.387,84.8 99.385,84.798 97.527,84.798 96.675,85.65 95.875,85.65 95.531,85.994 95.518,85.994 95.173,86.339 95.173,91.423 96.6,92.85 v1(96.6,104.45) ; v2@95.5,85.85 95.675,85.675 v2(95.675,85.65)
SPI2_nCS0: CON2.31 U4.15 | length 42.4
  Top Layer w0.254: CON2.31@54.375,90.95 73.665,90.95 83.767,80.848 90.077,80.848 91.375,79.55 U4.15@92.1,79.55
SPI2_nCS1: CON2.32 U4.14 | length 42.3
  Top Layer w0.254: CON2.32@54.375,91.75 73.696,91.75 84.194,81.252 90.244,81.252 91.446,80.05 U4.14@91.875,80.05
SPI2_nCS2: CON2.33 U4.12 | length 42.5
  Top Layer w0.254: CON2.33@54.375,92.55 73.752,92.55 84.646,81.656 90.42,81.656 91.026,81.05 U4.12@92.1,81.05
SPI2_nCS3: CON2.34 U4.11 | length 42.6
  Top Layer w0.254: CON2.34@54.375,93.35 73.809,93.35 85.099,82.06 90.588,82.06 91.098,81.55 U4.11@92.1,81.55
SPI2_nCS4: CON2.35 U4.10 | length 42.7
  Top Layer w0.254: CON2.35@54.375,94.15 73.779,94.15 85.465,82.464 90.755,82.464 91.169,82.05 U4.10@92.1,82.05
SPI2_nCS5: CON2.36 U4.9 | length 42.9
  Top Layer w0.254: CON2.36@54.375,94.95 73.718,94.95 85.8,82.868 90.922,82.868 91.24,82.55 U4.9@92.1,82.55
SPI2_nCS6: CON2.37 U4.8 | length 43
  Top Layer w0.254: CON2.37@54.375,95.75 73.669,95.75 86.147,83.272 91.09,83.272 91.312,83.05 U4.8@92.1,83.05
SPI2_nCS7: CON2.38 U4.7 | length 43.1
  Top Layer w0.254: CON2.38@54.375,96.55 73.55,96.55 86.424,83.676 91.257,83.676 91.383,83.55 U4.7@92.1,83.55
SPI2_nCS_EDFA: U2_E.7 U4.132 | length 41.9
  Top Layer w0.254: U2_E.7@80.595,110.13 82.92,110.13 83.323,109.727 v1(83.38,109.727) ; v1(93.85,103.625) 93.875,103.65 v1(97.6,103.65) ; v2(99.875,86.575) 100.05,86.75 U4.132@100.05,88.5 U4.132@100.05,88.925
  Bottom Layer w0.254: v1(83.38,109.727) 83.38,109.67 86.275,106.775 92.326,106.775 93.856,105.245 v1@93.856,103.625 ; v1(97.6,103.65) 97.6,89.925 99.848,87.677 ; v2(99.875,86.575) 99.875,86.876 ; 99.848,87.677 99.88,86.881 99.875,86.876 ; 99.848,87.677 99.848,86.903 99.875,86.876
SPI2_nCS_HEATER: U2_H.7 U4.133 | length 38
  Top Layer w0.254: U2_H.7@81.535,68.775 U2_H.7@81.525,68.765 82.435,68.765 84.35,66.85 v2(84.35,66.45) ; v2(90.75,67) 91.4,67 101.15,76.75 v2(101.15,79.025) ; U4.133@99.55,88.5 99.55,87.412 99.199,87.061 99.199,86.364 99.752,85.811 99.752,82.427 v2(99.675,82.35)
  Bottom Layer w0.254: v2(84.35,66.45) 84.425,66.525 88.096,66.525 88.127,66.494 90.394,66.494 90.75,66.85 v2(90.75,67) ; v2(99.675,82.35) 99.675,80.5 v2(101.15,79.025)
SPI2_nCS_LD_BIAS: U2_B.7 U4.131 | length 35.8
  Top Layer w0.254: U4.131@100.55,88.5 100.55,87.647 100.574,87.671 100.574,86.451 101.414,85.611 v2(101.805,85.611) ; U2_B.7@106.77,110.32 106.775,110.325 v1(109.9,110.325)
  Bottom Layer w0.254: v2@101.694,85.611 v2(101.805,85.611) 102.141,85.611 103.186,86.656 103.186,89.448 103.049,89.448 103.019,89.477 103.004,89.477 102.578,89.903 102.578,90.506 102.598,90.525 102.598,98.798 109.95,106.15 109.95,110.275 v1(109.9,110.325)
SPI2_nCS_LD_TEC: U2_T.7 U4.134 | length 56.9
  Top Layer w0.254: U2_T.7@81.44,55.97 81.995,55.97 83.2,57.175 v1(83.2,57.65) ; U4.134@99.05,88.5 99.05,87.731 98.795,87.475 98.795,85.88 99.125,85.55 v2(99.125,85.425)
  Bottom Layer w0.254: v1(83.2,57.65) 83.075,57.775 83.725,57.775 89.931,63.981 104.992,63.981 107.139,66.128 107.139,78.336 100.05,85.425 v2(99.125,85.425)
SPI2_SCLK: CON2.39 U2_B.8 U2_E.8 U2_H.8 U2_T.8 U4.6 | length 167
  Top Layer w0.254: CON2.39@54.375,97.35 73.4,97.35 86.656,84.094 92.056,84.094 U4.6@92.1,84.05 94.85,84.05 v2(95.4,84.6) ; U2_E.8@80.595,111.4 80.52,111.4 80.57,111.45 83.287,111.45 v1(83.715,111.022) ; U2_H.8@81.27,69.985 82.39,69.985 85.15,67.225 v1(85.15,65.475) 85.15,62.95 81.44,59.24 U2_T.8@81.44,57.24 ; U2_B.8@106.82,111.65 108.55,111.65 v1(108.6,111.6)
  Bottom Layer w0.254: v1(83.715,111.022) 83.903,111.022 85.85,109.075 91.769,109.075 v1@95.194,105.65 ; v1(85.15,65.475) 85.235,65.39 103.49,65.39 106.331,68.231 106.331,77.669 99.7,84.3 96.27,84.3 96.114,84.456 v2@95.595,84.456 ; v1@95.194,105.4 v1@95.425,105.4 ; v2@95.425,84.387 v2@95.425,84.487 ; v1@95.587,105.4 95.606,105.419 v1@95.568,105.419 ; v2@95.594,84.456 v2@95.425,84.625 ; v1(108.6,111.6) 101.749,111.6 v1@95.568,105.419 ; v1@95.194,105.65 95.425,105.65 v1@95.425,105.562 ; v1@95.194,105.65 v1@95.209,105.635 ; v1@95.209,105.635 95.352,105.635 v1@95.425,105.562 ; v1@95.209,105.635 v1(95.425,105.419) ; v2@95.425,84.487 v2@95.425,84.625 ; v2@95.425,84.487 95.4,84.512 v2(95.4,84.6) v2@95.425,84.625 ; v2@95.425,84.625 94.6,85.45 94.6,97.75 95.425,98.575 v1@95.425,105.4 ; v1@95.425,105.4 v1(95.425,105.419) ; v1(95.425,105.419) v1@95.568,105.419 ; v1(95.425,105.419) v1@95.425,105.562 ; v1@95.425,105.562 v1@95.568,105.419
SPI3_CS: CON2.29 U4.17 | length 42.2
  Top Layer w0.254: CON2.29@54.375,89.35 73.653,89.35 82.963,80.04 89.742,80.04 91.232,78.55 U4.17@92.1,78.55
SPI3_MOSI: CON2.27 U4.22 | length 43.1
  Top Layer w0.254: CON2.27@54.375,87.75 73.741,87.75 86.122,75.369 90.398,75.369 91.079,76.05 U4.22@92.1,76.05
SPI3_RESET: CON2.30 U4.16 | length 42.3
  Top Layer w0.254: CON2.30@54.375,90.15 73.672,90.15 83.378,80.444 89.909,80.444 91.307,79.046 92.096,79.046 U4.16@92.1,79.05
SPI3_SCLK: CON2.28 U4.21 | length 43.3
  Top Layer w0.254: CON2.28@54.375,88.55 73.543,88.55 86.32,75.773 90.178,75.773 90.955,76.55 U4.21@92.1,76.55
T1SS1: C46.1 U5.E3 | length 2.2
  Top Layer w0.254: U5.E3@125.781,70.296 126.801,69.276 C46.1@126.801,68.523
T1SS2: C47.1 U5.A3 | length 1.9
  Top Layer w0.254: U5.A3@125.781,75.376 125.915,75.51 125.915,76.209 C47.1@126.663,76.957
T2SS1: C48.1 U8.A3 U8.E3 | length 15
  Top Layer w0.254: C48.1@128.419,63.405 128.581,63.568 129.768,63.568 ; v1(129.76,62.824) 129.76,63.56 129.768,63.568 ; U8.A3@130.54,63.568 129.768,63.568 ; U8.E3@135.62,63.568 135.795,63.743 v1(136.599,63.743)
  Bottom Layer w0.254: v1(129.76,62.824) 129.76,61.454 130.461,60.753 135.778,60.753 136.62,61.596 136.599,61.616 v1(136.599,63.743)
UNREG: C28.2 C29.2 C44.2 C49.2 CON3.1 CON3.2 CON3.3 CON3.4 CON3.5 CON3.6 U5.A2 U5.B2 U5.B3 U5.D2 U5.D3 U5.E2 U8.A2 U8.B2 U8.B3 U8.D2 U8.D3 U8.E2 | length 45.3
  Top Layer w0.254: U5.E2@124.511,70.22 U5.E2@124.511,70.296 ; 124.515,74.818 124.677,74.656 ; U5.A2@124.515,75.376 U5.A2@124.559,75.42 ; v1@124.984,76.553 125.188,76.349 v1(125.188,76.228) ; v1(125.12,72.151) v1@125.12,72.175 ; U8.A2@130.54,62.298 130.54,62.339 131.053,62.853 v1(131.119,62.853) ; C29.2@130.586,78.658 C29.2@130.997,79.069 ; v1(131.248,61.76) v1@131.357,61.76 ; v1@131.42,61.696 v1@131.357,61.76 ; U8.B2@131.81,62.298 131.81,62.268 131.329,61.787 v1@131.357,61.76 ; U8.B3@131.81,63.568 131.81,63.533 v1(132.404,62.938) ; 134.317,62.932 134.324,62.925 134.35,62.95 ; U8.D2@134.35,62.257 U8.D2@134.35,62.298 ; 134.973,62.272 134.999,62.298
  Top Layer w0.5: C44.2@123.509,78.009 123.568,77.95 123.568,77.118 124.559,76.127 ; 124.677,74.656 v1(125.185,74.656)
  Top Layer w0.6: U5.E2@124.511,70.22 v1(125.152,69.579) ; U5.D2@124.511,71.566 v1@125.12,72.175 ; U5.A2@124.515,75.376 124.515,74.818 124.515,74.106 125.162,74.106 ; U5.A2@124.559,75.42 124.559,76.127 124.984,76.553 124.984,78.746 125.263,79.024 C28.2@127.143,79.024 ; v1(125.146,73.495) 125.146,74.091 125.162,74.106 ; v1@125.156,70.941 v1@125.195,70.98 ; v1(125.195,71.005) v1@125.195,70.98 ; U5.B3@125.78,74.106 125.162,74.106 ; U5.D3@125.781,71.566 v1@125.195,70.98 ; U5.B3@125.781,74.106 U5.B3@125.785,74.106 ; v1(133.739,62.932) 134.317,62.932 ; CON3.5@133.912,78.045 134.986,78.045 135.977,77.054 135.977,70.551 135.218,69.792 135.218,69.488 135.871,68.835 136.65,68.835 138.224,67.261 138.224,64.094 137.377,63.248 ; v1(133.994,61.942) 134.035,61.942 U8.D2@134.35,62.257 ; U8.D3@134.35,63.568 134.35,62.95 U8.D2@134.35,62.298 134.999,62.298 U8.E2@135.62,62.298 136.427,62.298 137.377,63.248 ; 134.973,62.272 134.985,62.261 v1(134.985,61.687) ; C49.2@137.756,61.671 137.756,62.869 137.377,63.248
pads on no net: OSC1.1 U2_B.3 U2_E.3 U2_H.3 U2_T.3 U4.33 U4.72 U4.97 U4.99 U4.100 U4.126 U4.127 U4.144 U5.A5 U5.C3 U5.E5 U7.1 U8.C3
copper on no net:
  other v1: 107.771,80.724 107.044,84.493 137.411,112.701 82.025,118.3 64.025,118.375 91.35,118.5
  other v4: 53.425,65.7 53.425,107.4
  other v5: 55.525,64.225 55.525,108.875

## Polygon pours and split planes (outlines as drawn)
5VP on Bottom Layer "Bottom Layer-5VP" (solid, remove dead copper, pour order 4): 51.155,51.019 51.155,119.019 139.155,119.019 139.155,51.019
GND on Top Layer "Top Layer-GND" (solid, pour order 6): 139.146,51.051 139.157,51.062 139.157,119.03 51.174,119.03 51.166,119.037 51.14,119.012 51.14,51.06
no net on Assembly Notes "NONET_L-01_P-001" (solid): 57.15,64.008 51.562,64.008 51.562,109.22 57.15,109.22
no net on Assembly Notes "NONET_L-01_P-001" (solid): 92.71,49.784 85.09,49.784 85.09,52.07 92.71,52.07
no net on Assembly Notes "NONET_L-01_P-001" (solid): 133.35,84.074 139.954,84.074 139.954,71.12 133.35,71.12
no net on Assembly Notes "NONET_L-01_P-001" (solid): 133.35,101.092 139.954,101.092 139.954,92.202 133.35,92.202
no net on Fab Notes "NONET_L-01_P-001" (solid): 92.71,49.784 85.09,49.784 85.09,52.07 92.71,52.07
GND on Ground (split plane): 139.49,50.51 91.942,50.51 91.942,56.833 91.932,56.932 91.903,57.028 91.856,57.116 91.792,57.194 91.715,57.257 91.627,57.304 91.531,57.333 91.431,57.343 86.426,57.343 86.326,57.333 86.23,57.304 86.142,57.257 86.065,57.194 86.001,57.116 85.954,57.028 85.925,56.932 85.915,56.833 85.915,50.51 50.51,50.51 50.51,119.49 139.49,119.49
3V3P on 3V3P (split plane): 139.49,50.51 91.942,50.51 91.942,56.833 91.932,56.932 91.903,57.028 91.856,57.116 91.792,57.194 91.715,57.257 91.627,57.304 91.531,57.333 91.431,57.343 86.426,57.343 86.326,57.333 86.23,57.304 86.142,57.257 86.065,57.194 86.001,57.116 85.954,57.028 85.925,56.932 85.915,56.833 85.915,50.51 50.51,50.51 50.51,119.49 139.49,119.49

## Keep-outs
Keep-Out Layer:
  the board outline again, w0.1

## Other copper
Top Layer:
  region net 3V3P: 120.107,72.145 123.735,72.145 123.773,72.108 123.773,69.677 123.675,69.775 120.1,69.775
  region net UNREG: 133.046,78.189 125.528,78.189 125.528,79.837 132.948,79.837 133.012,79.773
  region net UNREG: 132.978,76.645 134.966,76.645 134.976,76.636 134.987,76.648 134.987,82.388 133.023,82.388 132.988,82.352
  region: 126.073,83.36
  pour cut-out: 86.833,59.931 91.03,59.931 91.03,50.26 86.833,50.26
Bottom Layer:
  rectangle net UNREG: 123.968,69.09 126.311,76.634
  region net UNREG: 130.506,63.482 130.506,61.217 135.644,61.217 135.644,63.534

## Silkscreen, mask and mechanical layers (free items; w line width, h text height)
Assembly Notes:
  region: 139.161,53.5 ccw(c136.5,53.5) 136.5,56.161 ccw(c136.5,53.5) 133.839,53.5 ccw(c136.5,53.5) 136.5,50.839 ccw(c136.5,53.5)
  region: 139.161,116.5 ccw(c136.5,116.5) 136.5,119.161 ccw(c136.5,116.5) 133.839,116.5 ccw(c136.5,116.5) 136.5,113.839 ccw(c136.5,116.5)
  region: 56.161,116.5 ccw(c53.5,116.5) 53.5,119.161 ccw(c53.5,116.5) 50.839,116.5 ccw(c53.5,116.5) 53.5,113.839 ccw(c53.5,116.5)
  region: 56.161,53.5 ccw(c53.5,53.5) 53.5,56.161 ccw(c53.5,53.5) 50.839,53.5 ccw(c53.5,53.5) 53.5,50.839 ccw(c53.5,53.5)
Fab Notes:
  region: 56.161,116.5 ccw(c53.5,116.5) 53.5,119.161 ccw(c53.5,116.5) 50.839,116.5 ccw(c53.5,116.5) 53.5,113.839 ccw(c53.5,116.5)
  region: 139.161,116.5 ccw(c136.5,116.5) 136.5,119.161 ccw(c136.5,116.5) 133.839,116.5 ccw(c136.5,116.5) 136.5,113.839 ccw(c136.5,116.5)
  region: 139.161,53.5 ccw(c136.5,53.5) 136.5,56.161 ccw(c136.5,53.5) 133.839,53.5 ccw(c136.5,53.5) 136.5,50.839 ccw(c136.5,53.5)
  region: 56.161,53.5 ccw(c53.5,53.5) 53.5,56.161 ccw(c53.5,53.5) 50.839,53.5 ccw(c53.5,53.5) 53.5,50.839 ccw(c53.5,53.5)

## Text inside footprints (layer, text, board x,y; h text height)
CON4: Top Overlay "1" at 97.116,50.98 h1; Top Overlay "25" at 131.334,51.702 h1; Top Overlay "26" at 131.334,54.242 h1